# KiCad board poly_kb_wave_right.kicad_pcb (continued)
## Routing (per net, layer and track width the routed paths; a pad name or vN(x,y) marks a point on that pad's centre or on a via; arc(x,y) is an arc through that point) (continued)
  Bottom w0.5: C4_34.2 111.62,44.22 v4(111.62,43.18) 112.42,42.38 ; C2_5.2 126.04,112.4 v4(126.8,111.64) ; 112.42,99.53 v4(111.62,100.33) 111.62,101.37 C4_12.2 ; 131.47,78.1 v4(130.67,78.9) 130.67,79.94 C4_20.2 ; v4(107.75,37.82) 106.99,38.59 C2_33.2 ; 112.42,61.43 v4(111.62,62.23) 111.62,63.27 C4_26.2 ; 74.32,61.43 v4(73.52,62.23) 73.52,63.27 C4_24.2 ; v4(164.89,33.06) 164.14,33.81 C2_36.2 ; C2_2.2 68.89,110.02 v4(69.65,109.26) ; 155.28,59.05 v4(154.48,59.85) 154.48,60.89 C4_28.2 ; v4(69.65,71.16) 68.89,71.92 C2_16.2 ; C2_14.2 168.91,90.97 v4(169.67,90.21) ; C2_8.2 49.84,90.97 v4(50.6,90.21) ; v4(88.7,111.64) 87.94,112.4 C2_3.2 ; C4_9.2 54.47,98.99 v4(54.47,97.95) 55.27,97.15 ; C2_24.2 87.94,55.25 v4(88.7,54.49) ; 131.47,40 v4(130.67,40.8) 130.67,41.84 C4_35.2 ; v4(25.8,41.8) 24.27,41.8 C2_29.2 ; C4_30.2 15.97,23.91 15.97,23.21 v4(16.02,23.06) 17.05,22.58 ; C3.1 20.3,96.48 Y1.2 19.9,95.75 19.2,95.06 19.2,94.8 18.45,94.05 Y1.4 ; C2_23.2 68.89,52.87 v4(69.65,52.11) ; v4(126.8,35.44) 126.04,36.2 C2_34.2 ; v4(126.8,54.49) 126.04,55.25 C2_26.2 ; C13.2 4.8,107.5 U3.2 4.73,103.24 R13.2 4.74,101.41 ; C4_21.2 150.56,77.1 H7.1 ; v4(77.26,28.8) 76.44,29.5 C2_32.2 ; 74.32,80.48 v4(73.52,81.28) 73.52,82.32 C4_17.2 ; C2_18.2 106.99,76.69 v4(107.75,75.92) ; 74.32,99.53 v4(73.52,100.33) 73.52,101.37 C4_10.2 ; C4_5.2 111.62,120.42 v4(111.62,119.38) 112.42,118.58 ; C4_18.2 92.57,84.7 v4(92.57,83.66) 93.37,82.86 ; 93.37,101.91 v4(92.57,102.71) 92.57,103.75 C4_11.2 ; v4(88.7,92.59) 87.94,93.35 C2_10.2 ; v4(50.6,71.16) 49.84,71.92 C2_15.2 ; C4_8.2 38.72,101.7 40.23,100.2 v3(40.55,100.2) ; v4(169.67,52.11) 168.91,52.87 C2_28.2 ; 131.47,97.15 v4(130.67,97.95) 130.67,98.99 C4_13.2 ; C4_19.2 111.62,82.32 v4(111.62,81.28) 112.42,80.48 ; C4_1.2 35.42,118.04 v4(35.42,117) 36.22,116.2 ; 155.28,116.2 v4(154.48,117) 154.48,118.04 C4_7.2 ; 36.22,97.15 v4(35.42,97.95) 35.42,98.11 ; C2_31.2 54.11,26.3 v4(54.4,26.3) ; C2_25.2 106.99,57.64 v4(107.75,56.87) ; 74.32,118.58 74.05,118.85 v4(73.52,118.85) 73.52,120.42 C4_3.2 ; C4_23.2 54.47,60.89 v4(54.47,59.85) 55.27,59.05 ; C4_6.2 130.67,118.04 v4(130.67,117) 131.47,116.2 ; 55.27,78.1 v4(54.47,78.9) 54.47,79.94 C4_16.2 ; 8.94,43.23 v4(7.91,43.71) 7.26,44.37 7.26,44.75 ; C2_4.2 106.99,114.79 v4(107.75,114.02) ; 92.76,46.58 v4(92.76,45.56) 92.76,45.38 93.37,44.76 ; C2_7.2 168.91,110.02 v4(169.67,109.26) ; C2_19.2 126.04,74.3 v4(126.8,73.54) ; C2_22.2 48.36,48.1 v4(49.8,48.1) ; v4(69.65,90.21) 68.89,90.97 C2_9.2 ; C4_31.2 37.74,31.14 37.74,30.4 v4(37.78,30.24) 38.75,29.65 ; 61.46,36.29 v4(61.46,35.19) 61.6,35.19 62.33,34.46 ; v4(32.11,51.95) 32.11,52.17 C4_22.2 ; v4(32.11,51.95) 33.08,51.36 ; v4(32.11,51.95) 32.07,52.11 ; v4(29.94,19.53) 31.89,21.49 C2_30.2 ; C2_12.2 126.04,93.35 v4(126.8,92.59) ; 55.27,116.2 v4(54.47,117) 54.47,118.04 C4_2.2 ; C2_21.2 168.91,71.92 v4(169.67,71.16) ; 150.52,40 150.31,40.2 v4(149.5,40.2) 149.5,41.62 149.8,41.92 ; v4(145.85,33.06) 145.09,33.82 C2_35.2 ; C2_17.2 87.94,74.3 v4(88.7,73.54) ; 155.28,97.15 v4(154.48,97.95) 154.48,98.99 C4_14.2 ; C4_25.2 92.57,65.65 v4(92.57,64.61) 93.37,63.81 ; C2_1.2 49.84,110.02 v4(50.6,109.26) ; C2_11.2 106.99,95.74 v4(107.75,94.97) ; C4_15.2 35.42,79.94 v4(35.42,78.9) 36.22,78.1 ; 131.47,59.05 v4(130.67,59.85) 130.67,60.89 C4_27.2 ; USB1.1 12.78,118.43
  Bottom w0.6: v1(20.3,117.41) 20.2,117.5 19.5,117.5 19.23,117.78 USB1.12 ; USB2.1 8.76,68.78 v1(9.61,69.64) ; USB2.12 7.6,75.83 v1(7.6,77.5) 7.6,78.36 JP33.3 ; 12.78,118.43 12.78,117.68 12.45,117.35 v1(11.73,117.35)
  Bottom w0.75: v1(8.1,107.75) 9.61,107.75 10.15,108.3 10.15,109.05 11.05,109.95 11.05,115.16 11.8,115.91 11.8,117.28 v1(11.73,117.35) ; C14.2 8.84,104.66 v4(9.37,104.13)
  vias: v1(3.55,98.91) v1(6.7,94.66) v1(10.1,28.2) v1(14.33,115.38) v1(15.93,124.2) v1(15.95,12.25) v1(19.43,114.56) v1(33.25,124.2) v1(50.55,126.7) v1(60.15,13.5) v1(66.35,127.6) v1(84.2,31.3) v1(85.3,19.06) v1(100.95,127.35) v1(104.5,17.95) v1(119.8,126.25) v1(138.4,124.5) v1(157.35,20.91) v1(162.7,123.06) v1(169.6,34.16) v1(173.55,108.95) v1(178.95,50.8) v1(179.05,71.6) v1(179.15,93.45) v2(13.35,107.63) v2(14.13,96.23) v2(14.1,94.6) v2(14.13,93.35) v2(14.15,91.95) v2(15.13,97.85) v2(15.2,90.94) v2(15.4,95.16) v2(15.4,93.85) v2(16.15,91.8) v2(16.45,99.25) v2(16.45,98.1) v2(16.45,97.06) v2(17.25,91.05) v2(17.39,89.78) v2(18.65,98.98) v2(18.7,91.05) v2(19,92.8) v2(19.57,89.78) v2(20.05,91.05) v2(21.05,98.85) v2(21.1,92) v2(21.5,94.7) v2(22,101.16) v2(22,90.98) v2(22.73,94.66) v2(22.73,92.7) v2(22.75,96.13) v2(24.2,113.53) v2(26.18,112.66) v2(26.3,106.06) v2(27.39,111.29) v2(28.8,108.18) v2(30.95,114.03) v2(34.75,114.35) v3(1.08,93.55) v3(2.18,105.06) v3(5.2,73.95) v3(6.55,91.45) v3(9.13,92.66) v3(9.9,59.91) v3(13.25,72.95) v3(15.53,84.54) v3(15.77,46.8) v3(16.65,60.55) v3(16.75,40.4) v3(17.1,71.05) v3(18.49,29.68) v3(20.65,109.95) v3(22.52,76.24) v3(23.1,66.2) v3(23.15,120.41) v3(23.88,26.14) v3(24.69,31.94) v3(24.86,19.74) v3(26.6,9.02) v3(27.1,65.08) v3(27.4,80) v3(29.9,76.8) v3(30,85) v3(30.85,91.3) v3(32.8,11.28) v3(40.26,54.13) v3(40.55,81.05) v3(40.55,62.1) v3(40.51,47.66) v3(41.6,36.91) v3(42.58,110.86) v3(42.58,91.81) v3(42.58,72.76) v3(42.8,120.2) v3(43.85,117.21) v3(43.85,98.16) v3(45.93,32.42) v3(46.18,25.95) v3(46.7,15.1) v3(47.16,100.2) v3(47.16,81.15) v3(47.22,62.31) v3(53.12,16.64) v3(56.9,84.2) v3(59.51,80.9) v3(59.6,100.2) v3(59.58,62) v3(59.6,43.05) v3(61.63,110.86) v3(61.63,91.81) v3(61.63,72.76) v3(61.63,53.71) v3(62.25,125.7) v3(62.9,117.21) v3(62.9,98.16) v3(62.88,79.02) v3(62.9,60.06) v3(66.12,80.9) v3(66.21,100.2) v3(66.21,62) v3(66.21,43.05) v3(68.04,18.9) v3(69.13,29.7) v3(69.84,36.14) v3(70.6,83.41) v3(73.7,116.45) v3(74.61,19.47) v3(75,120.66) v3(75.8,86.6) v3(78.5,64.61) v3(78.65,102.79) v3(78.65,83.53) v3(78.65,46.01) v3(80.68,113.24) v3(80.68,94.19) v3(80.68,75.14) v3(80.68,56.09) v3(81.95,100.54) v3(81.95,81.49) v3(81.95,62.44) v3(84.85,46.01) v3(85.21,102.79) v3(85.26,83.53) v3(85.26,64.81) v3(89.68,64.68) v3(94.86,23.66) v3(96.9,105.61) v3(97.23,86.11) v3(97.7,67.21) v3(97.7,47.81) v3(97.71,28.81) v3(98.1,121.8) v3(99.73,115.63) v3(99.73,96.58) v3(99.73,77.53) v3(99.73,58.48) v3(99.73,39.43) v3(101,121.8) v3(101,102.93) v3(101,64.83) v3(103.38,105.61) v3(104.12,86.11) v3(104.07,67.21) v3(104.31,47.81) v3(104.31,28.81) v3(116.09,65.01) v3(116.42,103.01) v3(116.58,83.76) v3(116.75,45.41) v3(116.75,26.38) v3(118.78,113.24) v3(118.78,94.19) v3(118.78,75.14) v3(118.78,56.09) v3(118.78,37.04) v3(120.05,119.59) v3(120.05,100.54) v3(120.05,81.49) v3(120.05,62.44) v3(123.04,65.01) v3(123.36,103.01) v3(123.36,83.76) v3(123.36,45.41) v3(123.36,26.38) v3(135.75,42.93) v3(135.8,100.3) v3(135.8,81.15) v3(135.76,61.9) v3(135.8,24.21) v3(137.83,110.86) v3(137.83,91.81) v3(137.83,72.76) v3(137.83,53.71) v3(137.83,34.66) v3(139.1,117.21) v3(139.1,98.16) v3(139.1,79.1) v3(139.1,60.06) v3(139.1,41.01) v3(141.57,48.47) v3(141.8,68.41) v3(142.04,100.3) v3(142.19,61.9) v3(142.41,42.93) v3(142.41,24.21) v3(150.13,114.29) v3(154.85,24.21) v3(156.8,105.41) v3(156.88,34.66) v3(158.15,41.01) v3(159.46,100.41) v3(159.53,81.42) v3(159.61,62.1) v3(161.46,24.21) v3(161.65,110.86) v3(161.65,91.81) v3(161.65,72.76) v3(161.65,53.71) v3(162.92,98.16) v3(162.92,79.11) v3(163.03,117.69) v3(166.22,100) v3(166.22,81) v3(166.22,62.1)
VBAT: length 1441.3
  Top w0.254: 145.95,28.21 145.95,31.06 v3(146.1,31.2)
  Top w0.3: 90.1,68.61 89.8,68.9 v3(89.8,73.41) ; v3(109,56.7) 107.7,55.4 107.7,52.26 ; v3(142.6,33.61) 142.6,28.21 ; v3(109,75.7) 107.7,74.4 107.7,71.31 ; v3(89.9,92.6) 89.9,91.2 91.73,89.38 91.73,89.28 ; v3(51.7,70.91) 51.7,66.31 ; 56.3,15.91 56.2,16 v3(56.2,27.41) ; 50.9,42.3 50.9,48.7 v3(50.7,48.91) ; v3(51.8,90.1) 51.8,85.6 ; v3(70.8,108.1) 70.8,104.5 70.9,104.41 ; v3(70.8,90.2) 70.8,85.6 ; 91.45,108.06 89.8,109.7 v3(89.8,110.81) ; 107.55,90.36 109,91.81 v3(109,94.6) ; 126.1,68.61 128,70.51 v3(128,73.41) ; v3(89.9,54.2) 92.28,51.83 92.38,51.83 ; 126.1,49.56 128.1,51.56 v3(128.1,54.3) ; 126.1,106.7 127.6,108.2 v3(127.6,110.5) ; 71,66.31 70.9,66.41 v3(70.9,70.5) ; 126.1,87.66 128,89.56 v3(128,92.41) ; v3(142.6,71.6) 142.6,66.77 142.74,66.64 ; v3(108.5,113.1) 108.5,110.2 107.7,109.41 ; v3(143,89.91) 142.6,89.5 142.6,85.36 ; v3(142.9,108.6) 142.6,108.31 142.6,104.41 ; v3(51.8,108.31) 51.8,104.41 ; v3(142.6,52.66) 142.6,47.26 ; v3(70.8,51.5) 73.83,48.48 73.93,48.48
  Top w0.5: v3(79,29.81) 80.7,29.81 85.95,24.56 ; 51.8,104.41 72.7,104.41 75,106.7 90.1,106.7 92.38,108.98 107.28,108.98 107.7,109.41 110.4,106.7 126.1,106.7 128.4,104.41 142.6,104.41 142.65,104.45 170.45,104.45 v1(170.5,104.41) ; 34.66,81.36 38.55,85.25 45.86,85.25 46.22,85.6 72.95,85.6 75,87.66 90.1,87.66 92.8,90.36 107.7,90.36 110.4,87.66 126.1,87.66 128.4,85.36 v1(170.5,85.36) ; v3(165.69,28.77) 165.13,28.21 128.4,28.21 v3(126.1,30.51) 110.4,30.51 v3(107.7,33.21) 94.6,33.21 85.95,24.56 ; 49.72,14.49 49.32,14.39 ; 49.72,14.49 49.68,14.44 49.68,13.88 ; 49.72,14.49 55.78,15.91 77.3,15.91 85.95,24.56 ; 49.32,14.39 49.32,14.24 49.68,13.88 ; 49.32,14.39 44.98,13.38 41.43,13.38 v3(33.65,21.16) ; 49.68,13.88 J38.10 ; v1(170.5,66.31) 170.1,66.7 139.26,66.7 ; 139.26,66.7 128,66.7 125.95,68.76 110.93,68.76 108.38,71.31 107.13,71.31 ; 139.26,66.7 140.2,66.7 ; 51.7,66.31 72.7,66.31 75,68.61 92.5,68.61 95.2,71.31 107.13,71.31 ; 107.13,71.31 107.7,71.31 ; v3(26.3,42.8) 27.65,41.45 43.5,41.45 44.35,42.3 67.75,42.3 75,49.56 90.1,49.56 92.8,52.26 107.7,52.26 110.4,49.56 126.1,49.56 128.4,47.26 v1(170.5,47.26)
  Top w0.75: 34.66,81.36 34.55,81.25 4.03,81.25 2.03,83.26 v1(2.03,84.48)
  Bottom w0.254: C2_35.1 146.64,31.74 v3(146.1,31.2)
  Bottom w0.3: v3(51.8,108.31) 51.39,108.72 C2_1.1 50.62,111.01 49.22,111.01 48.56,110.36 45.38,110.36 44.36,111.37 44.36,113.91 44.6,114.15 J1.6 ; v3(128,73.41) 127.59,73.82 C2_19.1 126.82,75.29 125.41,75.29 124.75,74.64 121.58,74.64 120.56,75.65 120.56,78.19 120.8,78.43 J19.6 ; J36.6 158.9,37.95 158.66,37.71 158.66,35.17 159.68,34.16 162.85,34.16 163.51,34.81 164.92,34.81 C2_36.1 ; J7.6 163.67,114.15 163.42,113.91 163.42,111.37 164.44,110.36 167.62,110.36 168.27,111.01 169.68,111.01 C2_7.1 ; v3(70.8,90.2) 70.44,90.57 C2_9.1 69.67,91.96 68.26,91.96 67.6,91.31 64.43,91.31 63.41,92.32 63.41,94.86 63.65,95.1 J9.6 ; 140.63,34.16 139.61,35.17 139.61,37.71 139.85,37.95 J35.6 ; v3(109,94.6) 108.54,95.07 C2_11.1 107.77,96.73 106.36,96.73 105.7,96.07 102.53,96.07 101.51,97.08 101.51,99.62 101.75,99.87 J11.6 ; 140.63,91.31 139.65,92.28 139.65,94.9 139.85,95.1 J13.6 ; J16.6 63.65,76.05 63.41,75.81 63.41,73.27 64.43,72.26 67.6,72.26 68.26,72.91 69.67,72.91 C2_16.1 70.44,70.97 v3(70.9,70.5) ; v3(70.8,108.1) 70.44,108.47 C2_2.1 69.67,111.01 68.26,111.01 67.6,110.36 64.43,110.36 63.41,111.37 63.41,113.91 63.65,114.15 J2.6 ; J26.6 120.8,59.38 120.56,59.14 120.56,56.6 121.58,55.59 124.75,55.59 125.41,56.24 126.82,56.24 C2_26.1 127.59,54.82 v3(128.1,54.3) ; v3(127.6,110.5) 127.59,110.52 C2_5.1 126.82,113.39 125.41,113.39 124.75,112.74 121.58,112.74 120.56,113.75 120.56,116.29 120.8,116.53 J5.6 ; v3(50.7,48.91) 50.5,49.11 C2_22.1 48.29,49.68 46.92,49.35 46.43,48.56 44.9,48.19 42.83,48.19 42.02,49 41.53,51.04 41.71,51.33 J22.6 ; J28.6 163.67,57 163.42,56.76 163.42,54.22 164.44,53.21 167.62,53.21 168.27,53.86 169.68,53.86 C2_28.1 ; J31.6 47.38,29.62 47.2,29.33 47.79,26.86 49.02,26.11 52.1,26.85 52.59,27.64 53.96,27.97 C2_31.1 56.19,27.39 v3(56.2,27.41) ; J14.6 163.67,95.1 163.42,94.86 163.42,92.32 164.44,91.31 167.62,91.31 168.27,91.96 169.68,91.96 C2_14.1 ; v3(70.8,51.5) 70.44,51.87 C2_23.1 69.67,53.86 68.26,53.86 67.6,53.21 64.43,53.21 63.41,54.22 63.41,56.76 63.65,57 J23.6 ; 142.9,109.63 142.18,110.36 140.63,110.36 139.85,111.13 J6.6 ; 142.9,109.63 142.9,109.7 143.37,110.17 C2_6.1 ; 142.9,109.63 v3(142.9,108.6) ; v3(89.9,54.2) 89.49,54.62 C2_24.1 88.72,56.24 87.31,56.24 86.65,55.59 83.48,55.59 82.46,56.6 82.46,59.14 82.7,59.38 J24.6 ; J4.6 101.75,118.92 101.51,118.67 101.51,116.13 102.53,115.12 105.7,115.12 106.36,115.78 107.77,115.78 C2_4.1 108.54,113.14 v3(108.5,113.1) ; 140.63,34.16 142.05,34.16 v3(142.6,33.61) ; C2_32.1 77.12,30.55 75.72,30.43 75.12,29.71 71.96,29.44 70.86,30.36 70.64,32.89 70.86,33.15 J32.6 ; J17.6 82.7,78.43 82.46,78.19 82.46,75.65 83.48,74.64 86.65,74.64 87.31,75.29 88.72,75.29 C2_17.1 89.49,73.72 v3(89.8,73.41) ; v3(89.9,92.6) 89.49,93.02 C2_10.1 88.72,94.34 87.31,94.34 86.65,93.69 83.48,93.69 82.46,94.7 82.46,97.24 82.7,97.48 82.7,98.51 ; v3(107.7,33.21) 108.54,34.05 C2_33.1 107.77,39.58 106.36,39.58 105.7,38.92 102.53,38.92 101.51,39.93 101.51,42.47 101.75,42.72 J33.6 ; C2_30.1 32.35,22.63 31.03,22.15 30.64,21.31 27.66,20.22 26.35,20.83 25.62,22.83 25.63,22.83 25.63,23.52 J30.6 ; J25.6 101.75,61.77 101.51,61.52 101.51,58.98 102.53,57.97 105.7,57.97 106.36,58.63 107.77,58.63 C2_25.1 108.54,57.17 v3(109,56.7) ; C2_27.1 144.72,52.66 v3(142.6,52.66) 142.05,53.21 140.75,53.21 139.61,54.34 139.61,56.76 139.85,57 J27.6 ; C2_20.1 145.09,72.12 143.09,72.12 142.6,71.63 v3(142.6,71.6) 141.95,72.26 140.63,72.26 139.61,73.27 139.61,75.81 139.85,76.05 J20.6 ; C2_13.1 144.32,91.22 v3(143,89.91) 141.6,91.31 140.63,91.31 ; v3(128,92.41) 127.59,92.82 C2_12.1 126.82,94.34 125.41,94.34 124.75,93.69 121.58,93.69 120.56,94.7 120.56,97.24 120.8,97.48 120.8,98.51 ; v3(89.8,110.81) 89.49,111.12 C2_3.1 88.72,113.39 87.31,113.39 86.65,112.74 83.48,112.74 82.46,113.75 82.46,116.29 82.7,116.53 J3.6 ; C2_21.1 169.68,72.91 168.27,72.91 167.62,72.26 164.44,72.26 163.42,73.27 163.42,75.81 163.67,76.05 J21.6 ; v3(51.8,90.1) 51.39,90.52 C2_8.1 50.62,91.96 49.21,91.96 48.55,91.31 45.38,91.31 44.36,92.32 44.36,94.86 44.6,95.1 J8.6 ; C2_29.1 24.24,43.29 22.92,42.8 22.53,41.96 19.55,40.88 18.24,41.48 17.48,43.57 17.48,44.31 17.47,44.32 J29.6 ; v3(109,75.7) 108.54,76.17 C2_18.1 107.77,77.68 106.36,77.68 105.7,77.02 102.53,77.02 101.51,78.03 101.51,80.57 101.75,80.82 J18.6 ; 120.8,41.36 120.8,40.33 120.56,40.09 120.56,37.55 121.58,36.54 124.75,36.54 125.41,37.19 126.82,37.19 C2_34.1 127.59,32 v3(126.1,30.51) ; v3(51.7,70.91) 51.39,71.22 C2_15.1 50.62,72.91 49.21,72.91 48.55,72.26 45.38,72.26 44.36,73.27 44.36,75.81 44.6,76.05 J15.6
  Bottom w0.5: 171.04,47.25 171.04,39.39 C2_36.1 v3(165.69,28.77) ; 171.04,47.25 171.03,47.26 v1(170.5,47.26) ; 171.04,47.25 171.3,47.5 171.3,53.1 ; 171.3,85.41 171.25,85.36 v1(170.5,85.36) ; 171.3,85.41 171.3,72.1 ; 171.3,85.41 171.3,91.2 ; 171.3,53.1 170.48,53.1 C2_28.1 ; 171.3,53.1 171.3,66.41 ; C2_21.1 170.49,72.1 171.3,72.1 ; v3(26.3,42.8) 25.25,42.8 C2_29.1 ; 171.3,66.41 171.2,66.31 v1(170.5,66.31) ; 171.3,66.41 171.3,72.1 ; v3(33.65,21.16) 33.35,21.46 C2_30.1 ; C2_14.1 171.28,91.19 171.3,91.2 ; v1(170.5,104.41) 171.3,104.41 ; 171.3,104.41 171.3,91.2 ; 171.3,104.41 171.3,109.39 C2_7.1 ; v3(79,29.81) 78,29.81 C2_32.1 ; 27.25,87.41 JP4.2 ; v1(27.44,81.36) 27.44,82.8 JP31.1 27.45,87.65
  Bottom w0.75: v1(2.03,84.48) 2.91,85.36 2.91,87.25 JP2.2
VBUS: length 88.4
  Top w0.4: 13.7,116.81 v1(13.5,116.81)
  Top w0.75: v1(7.32,106.07) 6.58,106.81 2.5,106.81 1.3,108 1.3,111.58 1.13,111.76 1.13,117.43 v1(1.43,117.73) ; v1(18.4,116.81) 13.7,116.81
  Bottom w0.4: 18.45,116.85 v1(18.4,116.81)
  Bottom w0.6: USB1.2 13.55,116.85 v1(13.5,116.81) ; USB2.11 8.7,74.45 ; USB1.11 18.45,116.85 ; USB2.2 8.08,69.55 8.3,69.78
  Bottom w0.75: 10.28,89.8 10.47,89.99 10.47,106.47 ; 10.28,89.8 8.71,88.24 8.71,70.19 8.3,69.78 ; 10.28,89.8 12.13,89.8 14.53,87.4 JP30.3 ; JP1.3 1.43,116.28 v1(1.43,117.73) ; 10.47,106.47 11.06,107.06 11.06,108.6 11.67,109.22 R8.1 11.96,109.27 11.96,114.78 13.5,116.33 v1(13.5,116.81) ; 10.47,106.47 10.25,106.25 7.5,106.25 v1(7.32,106.07)
VDD: length 1626.5
  Top w0.254: v3(25.07,21.64) 25.07,21.24 26.2,20.1 28,20.1 31.6,16.5 34.7,16.5 39.21,12 48.39,12 J38.9
  Top w0.3: J37.11 13.55,88.72 13.39,88.89 ; 13.55,87.96 v3(13.55,84.85) ; 13.39,88.89 12.58,88.89 12.55,88.86 12.55,87.96 ; 13.39,88.89 13.39,89.61 C32.2 ; v3(93.58,123.18) 93.58,124.99 v3(94.3,125.7) ; R3.1 R4.1 31.68,116.1 v3(34.05,116.1)
  Top w0.75: v1(3.29,80.45) 3.61,80.13 4.41,80.13 4.74,79.79 12.62,79.79 v1(12.63,79.78) 12.65,79.75 19.1,79.75 v1(19.35,79.5)
  Bottom w0.254: v3(25.07,21.64) 25.07,23.66 25.04,23.69 ; U31.5 70.23,122.98 70.23,125.32 U35.5 69.15,126.4 56.46,126.4 U34.5 ; U33.5 50.95,125.56 38.16,125.56 37.55,124.95 U32.5 ; 167.93,118.38 167.93,118.61 169.27,119.95 169.75,119.95 U43.5
  Bottom w0.3: R1_11.1 96.12,98.16 101.06,98.16 ; 87.75,63.51 87.75,63.92 88.56,64.73 88.56,72.6 86.98,74.18 83.29,74.18 82.01,75.47 82.01,76.72 ; 87.75,63.51 C3_24.1 ; 87.75,63.51 87.64,63.61 84.9,63.61 82.2,60.92 J24.7 82.2,59.52 82.01,59.33 82.01,57.67 ; C3_13.1 144.9,99.23 ; 144.9,99.23 144.9,101.61 ; 144.9,99.23 144.79,99.33 142.05,99.33 139.35,96.64 J13.7 139.35,95.24 139.2,95.09 139.2,93.44 139.16,93.39 ; 53.15,123.35 52.95,123.56 52.95,124.95 ; 53.15,123.35 53.38,123.12 54.94,123.12 55.56,122.5 U30.5 ; 53.15,123.35 53.1,123.31 53.1,120.99 C3_1.1 48.81,118.38 46.8,118.38 44.1,115.69 J1.7 44.1,114.29 43.91,114.1 43.91,112.44 ; 58.3,40.7 65.64,40.7 69.51,44.57 69.51,51.17 67.93,52.75 64.24,52.75 62.96,54.03 62.96,55.29 ; 58.3,40.7 50.5,40.7 ; 58.3,40.7 58.3,32.41 60.4,30.3 61.21,30.3 62.2,31.29 62.2,32.21 R1_32.1 65.39,30.96 69.63,31.33 70.24,31.94 70.24,32.24 70.17,33.04 70.35,33.25 70.22,34.64 72.68,37.56 75.41,37.8 75.52,37.7 ; 43.91,93.39 38.97,93.39 R1_8.1 ; 43.91,93.39 43.91,95.05 44.1,95.24 J8.7 44.1,96.64 46.8,99.33 49.54,99.33 49.65,99.23 ; 43.91,93.39 43.91,92.13 45.19,90.85 48.88,90.85 50.46,89.27 50.46,81.4 49.65,80.59 49.65,80.18 ; C3_36.1 163.95,42.08 163.84,42.18 163.48,42.18 ; 141.19,90.85 140.44,90.85 139.16,92.13 139.16,93.39 ; C3_31.1 50.89,34.7 50.41,34.7 ; 82.01,57.67 82.01,56.42 83.29,55.13 86.98,55.13 88.56,53.55 88.56,46.75 ; 82.01,57.67 77.07,57.67 R1_24.1 ; 106.8,103.99 106.8,104.4 107.61,105.21 107.61,113.09 106.03,114.67 102.34,114.67 101.06,115.95 101.06,117.21 ; 106.8,103.99 C3_11.1 ; 106.8,103.99 106.69,104.1 103.95,104.1 101.25,101.4 J11.7 101.25,100.01 101.06,99.81 101.06,98.16 ; 25.04,23.69 24.64,24.79 26.25,28.25 27.27,29.28 27.27,29.57 ; 144.79,42.18 142.05,42.18 139.35,39.49 J35.7 139.35,38.09 139.16,37.9 139.16,36.86 138.54,36.24 134.22,36.24 R1_35.1 130.7,37.19 130.7,36 129.1,34.41 129.1,29.31 128.9,29.31 ; 144.79,42.18 144.87,42.26 144.87,44.94 ; 144.79,42.18 144.9,42.08 C3_35.1 ; 88.56,46.75 88.56,39.55 ; 88.56,46.75 88.56,45.05 88.4,45.2 79.5,45.2 76.22,41.92 76.22,38.99 75.49,38.12 75.52,37.7 ; 88.56,39.55 88.58,39.58 90.93,39.58 92.9,41.55 92.9,42.25 93.89,43.24 R1_33.1 96.12,41.01 100.5,41.01 101.06,41.56 101.06,42.66 101.25,42.86 J33.7 101.25,44.25 103.95,46.95 106.69,46.95 106.8,46.84 ; 88.56,39.55 88.56,33.25 ; 88.56,33.25 88.56,22.54 89.82,21.28 U8.16 ; 88.56,33.25 88.6,33.2 105.4,33.2 108.25,30.35 110.55,30.35 ; C3_18.1 106.8,84.94 ; 106.8,84.94 106.8,85.35 107.61,86.16 107.61,94.04 106.03,95.62 102.34,95.62 101.06,96.9 101.06,98.16 ; 106.8,84.94 106.69,85.05 103.95,85.05 101.25,82.35 J18.7 101.25,80.96 101.06,80.76 101.06,79.11 ; 141.19,71.8 142.2,70.79 142.2,69.31 144.9,66.61 144.9,64.07 147.12,61.84 ; 50.41,34.7 48.53,34.24 46.53,30.99 46.86,29.64 46.72,29.4 46.89,28.69 46.89,28.09 46.43,27.63 42.3,26.64 R1_31.1 39.53,28.2 36.6,28.2 35.2,29.6 29.2,29.6 ; 50.41,34.7 50.3,34.81 50.3,40.61 ; 50.5,40.7 50.4,40.7 50.3,40.61 ; 50.5,40.7 50.21,41 ; 29.2,29.6 27.3,29.6 27.27,29.57 ; 29.2,29.6 29.21,29.6 C3_30.1 ; 141.19,71.8 140.44,71.8 139.16,73.08 139.16,74.34 ; 144.87,44.94 147.44,44.94 147.84,45.35 148.11,45.35 U7.16 ; 144.87,44.94 144.87,45.89 142.2,48.55 142.2,51.74 141.19,52.75 ; 62.96,112.44 62.96,114.1 63.15,114.29 J2.7 63.15,115.69 65.85,118.38 67.98,118.38 68.7,117.66 C3_2.1 ; 62.96,112.44 58.02,112.44 R1_2.1 ; 62.96,112.44 62.96,111.18 64.24,109.9 67.93,109.9 69.51,108.32 69.51,100.45 68.7,99.64 68.7,99.23 ; v3(25.07,21.64) 24.84,21.42 20.92,19.99 R1_30.1 ; 162.97,112.44 162.97,114.1 163.17,114.29 J7.7 163.17,115.69 165.86,118.38 167.93,118.38 168.71,117.6 C3_7.1 ; 162.97,112.44 162.97,111.18 164.25,109.9 167.94,109.9 169.52,108.32 169.52,100.45 168.71,99.64 168.71,99.23 ; 162.97,112.44 158.03,112.44 R1_7.1 153.2,117.27 153.2,120.1 ; 101.06,79.11 96.12,79.11 R1_18.1 ; 101.06,79.11 101.06,77.85 102.34,76.57 106.03,76.57 107.61,74.99 107.61,67.11 106.8,66.3 106.8,65.89 ; R1_21.1 158.03,74.34 162.97,74.34 ; 43.91,74.34 43.91,73.08 45.19,71.8 48.88,71.8 50.46,70.22 50.46,61.83 45.55,56.92 45.65,56.52 ; 43.91,74.34 38.97,74.34 R1_15.1 ; 43.91,74.34 43.91,76 44.1,76.19 J15.7 44.1,77.59 46.8,80.28 49.54,80.28 49.65,80.18 ; 27.27,29.57 27.27,34.5 25.01,40.7 22.99,41.65 19.52,40.39 17.88,41.15 17.45,42.34 ; 43.91,112.44 38.97,112.44 R1_1.1 35.49,114.67 v3(34.05,116.1) ; 43.91,112.44 43.91,111.18 45.19,109.9 48.88,109.9 50.46,108.32 50.46,100.45 49.65,99.64 49.65,99.23 ; C3_22.1 45.65,56.52 ; 45.65,56.52 45.52,56.6 42.86,55.96 40.86,52.7 J22.7 41.19,51.35 41.04,51.12 41.43,49.51 ; 82.01,114.82 77.07,114.82 R1_3.1 ; 82.01,114.82 82.01,116.48 82.2,116.67 J3.7 82.2,118.26 84.71,120.76 86.84,120.76 87.68,119.92 C3_3.1 ; 82.01,114.82 82.01,113.57 83.29,112.28 86.98,112.28 88.56,110.7 88.56,102.83 87.75,102.02 87.75,101.61 ; R1_10.1 77.07,95.77 82.01,95.77 ; v3(94.3,125.7) 94.5,125.7 U36.5 ; 125.85,101.61 125.85,102.02 126.66,102.83 126.66,110.7 125.08,112.28 121.39,112.28 120.11,113.57 120.11,114.82 ; 125.85,101.61 125.74,101.71 122.85,101.71 120.3,99.17 120.3,97.62 120.11,97.43 120.11,95.77 ; 125.85,101.61 C3_12.1 ; 144.9,80.18 144.74,80.33 ; 144.9,80.18 144.79,80.28 ; 144.9,80.18 C3_20.1 ; 144.74,80.33 144.74,82.61 ; 144.74,80.33 144.79,80.28 ; C3_28.1 168.71,61.13 ; 168.71,61.13 168.71,61.54 169.52,62.35 169.52,70.22 167.94,71.8 164.25,71.8 162.97,73.08 162.97,74.34 ; 168.71,61.13 168.61,61.23 165.86,61.23 163.17,58.54 J28.7 163.17,57.14 162.97,56.95 162.97,55.29 ; 144.79,61.23 144.9,61.13 C3_27.1 ; 144.79,61.23 146.55,61.23 147.12,61.8 147.12,61.84 ; 144.79,61.23 142.05,61.23 139.35,58.54 J27.7 139.35,57.14 139.16,56.95 139.16,55.29 ; 82.01,95.77 82.01,94.52 83.29,93.23 86.98,93.23 88.56,91.65 88.56,83.78 87.75,82.97 87.75,82.56 ; 82.01,95.77 82.01,97.43 82.2,97.62 82.2,99.17 84.75,101.71 87.64,101.71 87.75,101.61 ; U40.5 131.93,121.57 128.34,121.57 ; U39.5 128.34,124.07 128.34,121.57 ; 163.48,42.18 161.1,42.18 158.4,39.49 J36.7 158.4,38.09 158.21,37.9 158.21,36.94 157.52,36.24 153.27,36.24 R1_36.1 150.45,37.88 150.45,37.25 148.8,35.6 148.8,29.81 147.1,28.1 130.35,28.1 129.15,29.31 128.9,29.31 ; 163.48,42.18 167.98,42.18 169.52,43.72 169.52,51.17 167.94,52.75 164.25,52.75 162.97,54.03 162.97,55.29 ; 139.16,55.29 134.22,55.29 R1_27.1 ; 139.16,55.29 139.16,54.03 140.44,52.75 141.19,52.75 ; C3_26.1 125.85,63.51 ; 125.85,63.51 125.74,63.61 123,63.61 120.3,60.92 J26.7 120.3,59.52 120.11,59.33 120.11,57.67 ; 125.85,63.51 125.85,63.92 126.66,64.73 126.66,72.6 125.08,74.18 121.39,74.18 120.11,75.47 120.11,76.72 ; 128.9,29.31 126.1,29.31 125.05,30.35 110.55,30.35 ; 41.43,49.51 41.66,48.54 42.57,47.64 44.54,47.64 46.85,48.2 48.76,47.03 50.21,41 ; 41.43,49.51 36.63,48.35 R1_22.1 ; C3_9.1 68.7,99.23 ; 68.7,99.23 68.59,99.33 65.85,99.33 63.15,96.64 J9.7 63.15,95.24 62.96,95.05 62.96,93.39 ; 106.8,46.84 106.8,47.25 107.61,48.06 107.61,55.94 106.03,57.52 102.34,57.52 101.06,58.8 101.06,60.06 ; 106.8,46.84 C3_33.1 ; 120.11,95.77 120.11,94.52 121.39,93.23 125.08,93.23 126.66,91.65 126.66,83.78 125.85,82.97 125.85,82.56 ; 120.11,95.77 115.17,95.77 R1_12.1 ; 106.14,123.15 106.6,123.6 106.6,124.53 107.57,125.5 108.1,125.5 U37.5 109.85,126.16 111.8,124.2 113,124.2 U38.5 ; 106.14,123.15 103.95,123.15 101.25,120.45 J4.7 101.25,119.06 101.06,118.86 101.06,117.21 ; 106.14,123.15 106.8,122.49 C3_4.1 ; 162.97,74.34 162.97,76 163.17,76.19 J21.7 163.17,77.59 165.86,80.28 168.61,80.28 168.71,80.18 ; 82.01,76.72 82.01,78.38 82.2,78.57 J17.7 82.2,79.97 84.9,82.66 87.64,82.66 87.75,82.56 ; 82.01,76.72 77.07,76.72 R1_17.1 ; R1_9.1 58.02,93.39 62.96,93.39 ; 110.55,30.35 110.5,30.41 110.5,37.7 111.9,39.1 111.9,40.2 112.55,40.85 R1_34.1 115.17,38.62 119.52,38.62 120.11,39.21 120.11,40.28 120.3,40.47 120.3,41.87 123,44.56 125.74,44.56 125.85,44.46 ; C3_10.1 87.75,101.61 ; 62.96,93.39 62.96,92.13 64.24,90.85 67.93,90.85 69.51,89.27 69.51,81.4 68.7,80.59 68.7,80.18 ; 162.97,93.39 162.97,92.13 164.25,90.85 167.94,90.85 169.52,89.27 169.52,81.4 168.71,80.59 168.71,80.18 ; 162.97,93.39 162.97,95.05 163.17,95.24 J14.7 163.17,96.64 165.86,99.33 168.61,99.33 168.71,99.23 ; 162.97,93.39 158.03,93.39 R1_14.1 ; 87.75,82.56 C3_17.1 ; C3_15.1 49.65,80.18 ; 162.97,55.29 158.03,55.29 R1_28.1 ; 139.16,74.34 139.16,76 139.35,76.19 J20.7 139.35,77.59 142.05,80.28 144.79,80.28 ; 139.16,74.34 134.22,74.34 R1_20.1 ; 120.11,114.82 115.17,114.82 R1_5.1 ; 120.11,114.82 120.11,116.48 120.3,116.67 J5.7 120.3,118.07 123,120.76 125.26,120.76 125.85,120.18 C3_5.1 127.5,121.57 128.34,121.57 ; 153.2,120.1 154.38,121.29 155.83,121.29 U42.5 ; 153.2,120.1 151.11,122.2 U41.5 ; C3_16.1 68.7,80.18 ; 68.7,80.18 68.59,80.28 65.85,80.28 63.15,77.59 J16.7 63.15,76.19 62.96,76 62.96,74.34 ; R1_19.1 115.17,76.72 120.11,76.72 ; U4.16 148.2,101.61 144.9,101.61 ; 139.16,112.44 134.22,112.44 R1_6.1 ; 139.16,112.44 139.16,114.1 139.35,114.29 J6.7 139.35,115.69 142.05,118.38 144.18,118.38 144.9,117.66 C3_6.1 ; 139.16,112.44 139.16,111.18 140.44,109.9 141.19,109.9 142.2,108.89 142.2,107.41 144.9,104.71 144.9,101.61 ; 68.7,61.13 68.7,61.54 69.51,62.35 69.51,70.22 67.93,71.8 64.24,71.8 62.96,73.08 62.96,74.34 ; 68.7,61.13 68.59,61.23 65.85,61.23 63.15,58.54 J23.7 63.15,57.14 62.96,56.95 62.96,55.29 ; 68.7,61.13 C3_23.1 ; 49.65,99.23 C3_8.1 ; 50.21,41 50.3,40.61 ; 125.85,44.46 C3_34.1 ; 125.85,44.46 125.85,44.87 126.66,45.68 126.66,53.55 125.08,55.13 121.39,55.13 120.11,56.42 120.11,57.67 ; 101.06,60.06 101.06,61.71 101.25,61.91 J25.7 101.25,63.3 103.95,66 106.69,66 106.8,65.89 ; 101.06,60.06 96.12,60.06 R1_25.1 ; R1_13.1 134.22,93.39 139.16,93.39 ; 144.74,82.61 144.78,82.65 147.32,82.65 148.21,83.54 U5.16 ; 144.74,82.61 144.74,84.67 144.48,84.93 144.47,84.93 143.58,85.83 143.58,86.98 142.2,88.36 142.2,89.84 141.19,90.85 ; 101.06,117.21 96.12,117.21 R1_4.1 94.38,119.92 94.38,122.38 v3(93.58,123.18) ; 17.45,42.34 17.02,43.53 17,43.55 17,44.14 16.53,45.45 17.65,47.86 19.23,49.44 20.95,49.44 20.99,49.39 C3_29.1 ; 17.45,42.34 12.81,40.65 R1_29.1 ; 62.96,55.29 58.02,55.29 R1_23.1 ; 168.71,80.18 C3_21.1 ; 75.52,37.7 C3_32.1 ; 168.71,99.23 C3_14.1 ; R1_26.1 115.17,57.67 120.11,57.67 ; 52.95,124.95 U33.5 ; 52.95,124.95 52.95,125.47 54.14,126.66 55,126.66 U34.5 ; U6.16 147.75,62.25 147.34,61.84 147.12,61.84 ; C3_25.1 106.8,65.89 ; 62.96,74.34 58.02,74.34 R1_16.1 ; 120.11,76.72 120.11,78.38 120.3,78.57 J19.7 120.3,79.97 123,82.66 125.74,82.66 125.85,82.56 ; 125.85,82.56 C3_19.1
  Bottom w0.5: R1_15.1 35.84,76.57 34.46,77.95 32.66,77.95 ; v1(12.63,79.78) 15.7,82.85 JP14.2 15.55,82.85 v3(13.55,84.85)
  Bottom w0.75: 30.05,87.2 30.55,87.2 32.66,85.1 32.66,77.95 22.11,77.95 20.55,79.5 v1(19.35,79.5) ; v1(3.29,80.45) 5.45,80.45 7.15,82.16 JP12.2
